# Altium PCB FSAES-22-E17 Temp Module PCB.PcbDoc (part 1 of 3) (continued)
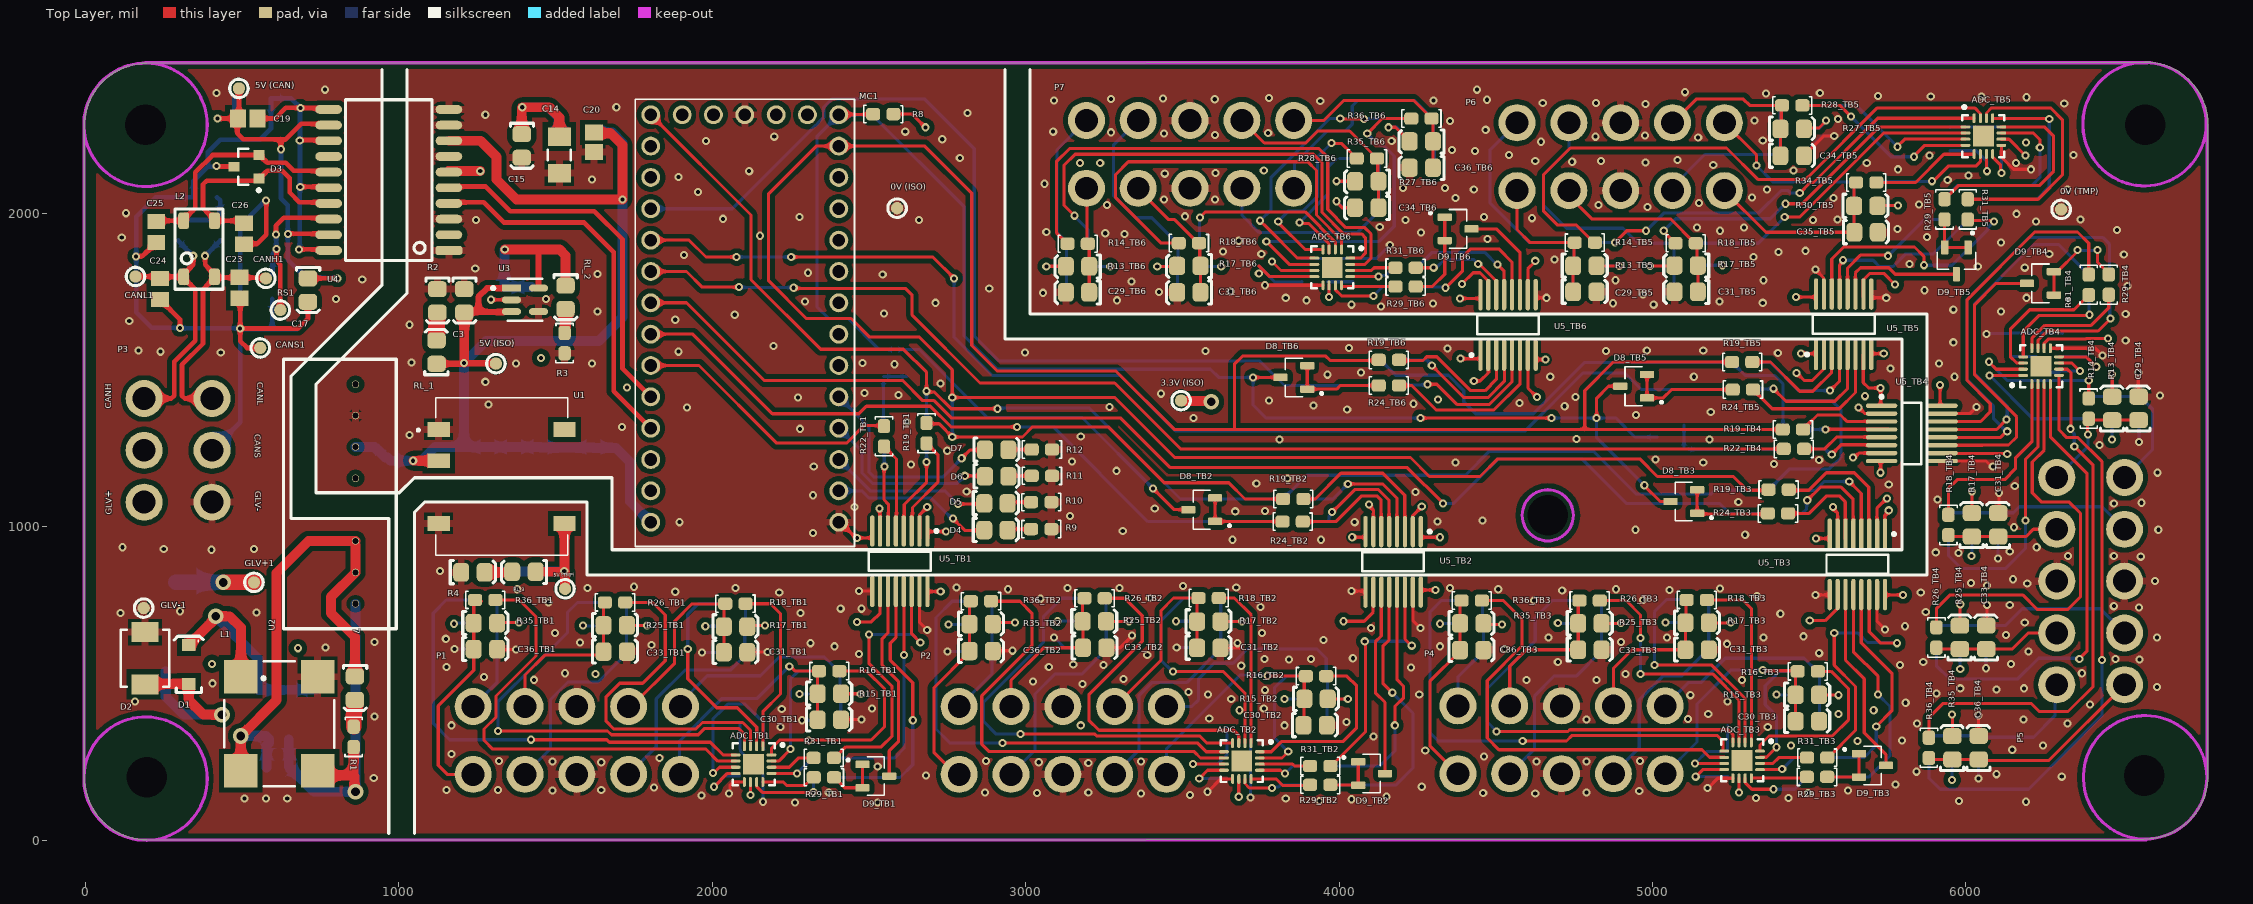
[diagram p0: Top Layer view]
## Components (designator, comment, footprint, x,y, rotation, side; value= is the part's Value field where it differs from the comment) (continued)
D8_TB5 "BAV70" BAV70-Footprint-1 4940,1448 r180 top (schematic designator D8)
D8_TB6 "BAV70" BAV70-Footprint-1 3856,1476 r180 top (schematic designator D8)
D9_TB1 "BAV70" BAV70-Footprint-1 2522,204 r0 top (schematic designator D9)
D9_TB2 "BAV70" BAV70-Footprint-1 4104,212 r0 top (schematic designator D9)
D9_TB3 "BAV70" BAV70-Footprint-1 5702,238 r0 top (schematic designator D9)
D9_TB4 "BAV70" BAV70-Footprint-1 6238,1776 r180 top (schematic designator D9)
D9_TB5 "BAV70" BAV70-Footprint-1 5970,1848 r270 top (schematic designator D9)
D9_TB6 "BAV70" BAV70-Footprint-1 4380,1950 r0 top (schematic designator D9)
F1 "0ZCF0100AF2A" 2920 256,826 r270 bottom
GLV+1 "GLV+" "SMD Test Point 1mm" 538,822 r180 top
GLV-1 "GLV-" "SMD Test Point 1mm" 186,740 r270 top
L1 "744272121" WE-SL5 618.56,371 r270 top
L2 "B82787C0104H002" "TDK 4-PC Pad" 313.57,1796.87 r90 top value="100µH @ 100kHz"
MC1 "DEV-15583" DEV-15583-Footprint-1 2104,1664 r180 top
P1 "39293106" 39293106 1898.71,209.46 r0 top
P2 "39293106" 39293106 3449.42,209.46 r0 top
P3 "6-Pin Molex Mini-Fit" "6-Pin Molex Mini-Fit" 310.27,1230.78 r270 top
P4 "39293106" 39293106 5040.71,211.46 r0 top
P5 "39293106" 39293106 6506.54,1156.71 r90 top
P6 "39293106" 39293106 4568,2288.54 r180 top
P7 "39293106" 39293106 3193.94,2296 r180 top
R1 "5.4K" RNCF0805BKY5K40-Footprint-1 856,329 r90 top
R2 "2K" 0805 1124,1720 r270 top value=2k
R3 "1.1K" RESC0603 1529,1585.48 r90 top
R4 "2K" 0805 1237.07,855.03 r0 top value=2k
R5 "CAN TERM" RESC0603 430,1946 r270 bottom value=56R
R6 "R0" FP-RC0805-IPC_A 596,1765.45 r90 bottom
R7 "CAN TERM" RESC0603 296,1946 r90 bottom value=56R
R8 "5K" Y16295K00000T9R-Footprint-1 2546,2316 r0 top
R9 "1.9K" Y16241K90000T9R-Footprint-1 3050,992 r180 top
R10 "1.9K" Y16241K90000T9R-Footprint-1 3050,1078 r180 top
R11 "1.9K" Y16241K90000T9R-Footprint-1 3052,1162 r180 top
R12 "1.9K" Y16241K90000T9R-Footprint-1 3052,1246 r180 top
R13_TB1 "680R" 0805 2372.36,466.8 r180 bottom (schematic designator R13)
R13_TB2 "680R" 0805 3925.17,451.03 r180 bottom (schematic designator R13)
R13_TB3 "680R" 0805 5495.07,464 r180 bottom (schematic designator R13)
R13_TB4 "680R" 0805 6466,1377.41 r90 top (schematic designator R13)
R13_TB5 "680R" 0805 4784.93,1833.03 r0 top (schematic designator R13)
R13_TB6 "680R" 0805 3165.11,1829.44 r180 top (schematic designator R13)
R14_TB1 "20R" RESC0603 2373.29,538.8 r0 bottom (schematic designator R14)
R14_TB2 "20R" RESC0603 3926.53,523.03 r0 bottom (schematic designator R14)
R14_TB3 "20R" RESC0603 5496,538 r0 bottom (schematic designator R14)
R14_TB4 "20R" RESC0603 6392,1376.48 r270 top (schematic designator R14)
R14_TB5 "20R" RESC0603 4784,1906 r180 top (schematic designator R14)
R14_TB6 "20R" RESC0603 3166.04,1902.47 r0 top (schematic designator R14)
R15_TB1 "680R" 0805 2374.27,467.83 r0 top (schematic designator R15)
R15_TB2 "680R" 0805 3927.07,451.03 r0 top (schematic designator R15)
R15_TB3 "680R" 0805 5494.59,464 r0 top (schematic designator R15)
R15_TB4 "680R" 0805 6466,1377.41 r270 bottom (schematic designator R15)
R15_TB5 "680R" 0805 4784.93,1832 r0 bottom (schematic designator R15)
R15_TB6 "680R" 0805 3168.02,1830.47 r0 bottom (schematic designator R15)
R16_TB1 "20R" RESC0603 2373.34,538.8 r180 top (schematic designator R16)
R16_TB2 "20R" RESC0603 3926.58,523.03 r180 top (schematic designator R16)
R16_TB3 "20R" RESC0603 5495.52,538 r180 top (schematic designator R16)
R16_TB4 "20R" RESC0603 6392,1376.48 r90 bottom (schematic designator R16)
R16_TB5 "20R" RESC0603 4784,1906 r180 bottom (schematic designator R16)
R16_TB6 "20R" RESC0603 3167.09,1904.47 r180 bottom (schematic designator R16)
R17_TB1 "680R" 0805 2074.93,682 r0 top (schematic designator R17)
R17_TB2 "680R" 0805 3584.93,698 r0 top (schematic designator R17)
R17_TB3 "680R" 0805 5142.93,694 r0 top (schematic designator R17)
R17_TB4 "680R" 0805 6018.23,1006.13 r90 top (schematic designator R17)
R17_TB5 "680R" 0805 5106.93,1832 r180 top (schematic designator R17)
R17_TB6 "680R" 0805 3520.16,1830.47 r180 top (schematic designator R17)
R18_TB1 "20R" RESC0603 2074,754 r180 top (schematic designator R18)
R18_TB2 "20R" RESC0603 3584,772 r180 top (schematic designator R18)
R18_TB3 "20R" RESC0603 5141.52,766 r180 top (schematic designator R18)
R18_TB4 "20R" RESC0603 5944.23,1005.2 r270 top (schematic designator R18)
R18_TB5 "20R" RESC0603 5106,1904 r0 top (schematic designator R18)
R18_TB6 "20R" RESC0603 3521.09,1904.47 r0 top (schematic designator R18)
R19_TB1 "20R" RESC0603 2684,1298 r270 top (schematic designator R19)
R19_TB2 "20R" RESC0603 3854,1088 r0 top (schematic designator R19)
R19_TB3 "20R" RESC0603 5402.48,1118 r0 top (schematic designator R19)
R19_TB4 "20R" RESC0603 5448.15,1309.94 r0 top (schematic designator R19)
R19_TB5 "20R" RESC0603 5286.19,1525.21 r0 top (schematic designator R19)
R19_TB6 "20R" RESC0603 4159.03,1531.86 r0 top (schematic designator R19)
R20_TB1 "20R" RESC0603 2684,1298 r270 bottom (schematic designator R20)
R20_TB2 "20R" RESC0603 3854,1088 r0 bottom (schematic designator R20)
R20_TB3 "20R" RESC0603 5402.48,1118 r0 bottom (schematic designator R20)
R20_TB4 "20R" RESC0603 5449.08,1309.9 r0 bottom (schematic designator R20)
R20_TB5 "20R" RESC0603 5285.52,1524 r0 bottom (schematic designator R20)
R20_TB6 "20R" RESC0603 4159.03,1531.86 r0 bottom (schematic designator R20)
R21_TB1 "680R" 0805 2073.02,682 r180 bottom (schematic designator R21)
R21_TB2 "680R" 0805 3584.93,698.97 r180 bottom (schematic designator R21)
R21_TB3 "680R" 0805 5141.87,694.97 r180 bottom (schematic designator R21)
R21_TB4 "680R" 0805 6018.23,1006.13 r270 bottom (schematic designator R21)
R21_TB5 "680R" 0805 5108,1832 r0 bottom (schematic designator R21)
R21_TB6 "680R" 0805 3522.02,1828.47 r0 bottom (schematic designator R21)
R22_TB1 "20R" RESC0603 2548,1288 r270 top (schematic designator R22)
R22_TB2 "20R" RESC0603 3852,1016 r0 bottom (schematic designator R22)
R22_TB3 "20R" RESC0603 5400.48,1042 r0 bottom (schematic designator R22)
R22_TB4 "20R" RESC0603 5451.19,1247.94 r0 top (schematic designator R22)
R22_TB5 "20R" RESC0603 5288.67,1437.21 r0 bottom (schematic designator R22)
R22_TB6 "20R" RESC0603 4159.03,1450.14 r0 bottom (schematic designator R22)
R23_TB1 "20R" RESC0603 2073.95,754 r0 bottom (schematic designator R23)
R23_TB2 "20R" RESC0603 3584,772 r0 bottom (schematic designator R23)
R23_TB3 "20R" RESC0603 5140.46,766.97 r0 bottom (schematic designator R23)
R23_TB4 "20R" RESC0603 5944.2,1005.2 r90 bottom (schematic designator R23)
R23_TB5 "20R" RESC0603 5106,1904 r180 bottom (schematic designator R23)
R23_TB6 "20R" RESC0603 3521.09,1902.47 r180 bottom (schematic designator R23)
R24_TB1 "20R" RESC0603 2548,1288 r270 bottom (schematic designator R24)
R24_TB2 "20R" RESC0603 3852,1016 r0 top (schematic designator R24)
R24_TB3 "20R" RESC0603 5400.48,1042 r0 top (schematic designator R24)
R24_TB4 "20R" RESC0603 5451.67,1247.94 r0 bottom (schematic designator R24)
R24_TB5 "20R" RESC0603 5288.67,1437.21 r0 top (schematic designator R24)
R24_TB6 "20R" RESC0603 4159.03,1450.14 r0 top (schematic designator R24)
R25_TB1 "680R" 0805 1690.98,686 r0 top (schematic designator R25)
R25_TB2 "680R" 0805 3219.87,698.46 r0 top (schematic designator R25)
R25_TB3 "680R" 0805 4800.98,692 r0 top (schematic designator R25)
R25_TB4 "680R" 0805 5980,646.93 r90 top (schematic designator R25)
R25_TB5 "680R" 0805 5445.07,2270 r0 bottom (schematic designator R25)
R25_TB6 "680R" 0805 4089.98,2100.47 r180 bottom (schematic designator R25)
R26_TB1 "20R" RESC0603 1690,758 r180 top (schematic designator R26)
R26_TB2 "20R" RESC0603 3219.99,771.43 r180 top (schematic designator R26)
R26_TB3 "20R" RESC0603 4799.52,764 r180 top (schematic designator R26)
R26_TB4 "20R" RESC0603 5906,646 r270 top (schematic designator R26)
R26_TB5 "20R" RESC0603 5446,2344 r180 bottom (schematic designator R26)
R26_TB6 "20R" RESC0603 4088.91,2174.47 r0 bottom (schematic designator R26)
R27_TB1 "680R" 0805 1689.02,684 r180 bottom (schematic designator R27)
R27_TB2 "680R" 0805 3219.02,699.43 r180 bottom (schematic designator R27)
R27_TB3 "680R" 0805 4799.5,692 r180 bottom (schematic designator R27)
R27_TB4 "680R" 0805 5980,646.93 r270 bottom (schematic designator R27)
R27_TB5 "680R" 0805 5446,2270 r0 top (schematic designator R27)
R27_TB6 "680R" 0805 4087.98,2100.47 r180 top (schematic designator R27)
R28_TB1 "20R" RESC0603 1690,758 r0 bottom (schematic designator R28)
R28_TB2 "20R" RESC0603 3219.99,771.43 r0 bottom (schematic designator R28)
R28_TB3 "20R" RESC0603 4799.52,764 r0 bottom (schematic designator R28)
R28_TB4 "20R" RESC0603 5906,646 r90 bottom (schematic designator R28)
R28_TB5 "20R" RESC0603 5446,2344 r180 top (schematic designator R28)
R28_TB6 "20R" RESC0603 4088.91,2174.47 r0 top (schematic designator R28)
R29_TB1 "20R" RESC0603 2356.48,200 r180 top (schematic designator R29)
R29_TB2 "20R" RESC0603 3940.05,176 r180 top (schematic designator R29)
R29_TB3 "20R" RESC0603 5525.18,201.3 r180 top (schematic designator R29)
R29_TB4 "20R" RESC0603 6456,1772 r270 top (schematic designator R29)
R29_TB5 "20R" RESC0603 5932,2012 r90 top (schematic designator R29)
R29_TB6 "20R" RESC0603 4212.33,1766 r180 top (schematic designator R29)
R30_TB1 "680R" 0805 1275.02,693.03 r180 bottom (schematic designator R30)
R30_TB2 "680R" 0805 2855.07,686 r180 bottom (schematic designator R30)
R30_TB3 "680R" 0805 4422.54,692 r180 bottom (schematic designator R30)
R30_TB4 "680R" 0805 5956,294.93 r270 bottom (schematic designator R30)
R30_TB5 "680R" 0805 5681.07,2024 r0 top (schematic designator R30)
R30_TB6 "680R" 0805 4266.13,2230 r180 bottom (schematic designator R30)
R31_TB1 "20R" RESC0603 2356,262 r0 top (schematic designator R31)
R31_TB2 "20R" RESC0603 3940,236 r0 top (schematic designator R31)
R31_TB3 "20R" RESC0603 5525.46,263.02 r0 top (schematic designator R31)
R31_TB4 "20R" RESC0603 6392,1771.52 r90 top (schematic designator R31)
R31_TB5 "20R" RESC0603 6006,2012 r270 top (schematic designator R31)
R31_TB6 "20R" RESC0603 4212.28,1826 r0 top (schematic designator R31)
R32_TB1 "20R" RESC0603 2356,262 r0 bottom (schematic designator R32)
R32_TB2 "20R" RESC0603 3940,236 r0 bottom (schematic designator R32)
R32_TB3 "20R" RESC0603 5525.46,263.02 r0 bottom (schematic designator R32)
R32_TB4 "20R" RESC0603 6392,1771.52 r90 bottom (schematic designator R32)
R32_TB5 "20R" RESC0603 6005.35,2011.02 r270 bottom (schematic designator R32)
R32_TB6 "20R" RESC0603 4212.28,1826 r0 bottom (schematic designator R32)
R33_TB1 "20R" RESC0603 2356.48,200 r0 bottom (schematic designator R33)
R33_TB2 "20R" RESC0603 3940.05,176 r0 bottom (schematic designator R33)
R33_TB3 "20R" RESC0603 5525.18,201.3 r0 bottom (schematic designator R33)
R33_TB4 "20R" RESC0603 6456,1772 r90 bottom (schematic designator R33)
R33_TB5 "20R" RESC0603 5932,2012 r270 bottom (schematic designator R33)
R33_TB6 "20R" RESC0603 4213.32,1766 r0 bottom (schematic designator R33)
R34_TB1 "20R" RESC0603 1276,766 r0 bottom (schematic designator R34)
R34_TB2 "20R" RESC0603 2858.48,762 r0 bottom (schematic designator R34)
R34_TB3 "20R" RESC0603 4423.52,764 r0 bottom (schematic designator R34)
R34_TB4 "20R" RESC0603 5882,294 r90 bottom (schematic designator R34)
R34_TB5 "20R" RESC0603 5682,2098 r180 top (schematic designator R34)
R34_TB6 "20R" RESC0603 4267.06,2304 r0 bottom (schematic designator R34)
R35_TB1 "680R" 0805 1276.98,693.03 r0 top (schematic designator R35)
R35_TB2 "680R" 0805 2858.45,690 r0 top (schematic designator R35)
R35_TB3 "680R" 0805 4424,692 r0 top (schematic designator R35)
R35_TB4 "680R" 0805 5956,294.93 r90 top (schematic designator R35)
R35_TB5 "680R" 0805 5681.07,2026 r0 bottom (schematic designator R35)
R35_TB6 "680R" 0805 4262.01,2228 r180 top (schematic designator R35)
R36_TB1 "20R" RESC0603 1276,766 r180 top (schematic designator R36)
R36_TB2 "20R" RESC0603 2857.52,762 r180 top (schematic designator R36)
R36_TB3 "20R" RESC0603 4423.52,764 r180 top (schematic designator R36)
R36_TB4 "20R" RESC0603 5882,294 r270 top (schematic designator R36)
R36_TB5 "20R" RESC0603 5682,2100 r180 bottom (schematic designator R36)
R36_TB6 "20R" RESC0603 4262.94,2302 r0 top (schematic designator R36)
RL_1 "SML-210LTT86" "0805 LED" 1119.32,1557.4 r90 top
RL_2 "SML-210LTT86" "0805 LED" 1533.03,1730.93 r270 top
RL_3 "SML-210LTT86" "0805 LED" 1398.93,854.97 r180 top
RS1 "RS" "SMD Test Point 1mm" 622,1691 r0 top
U1 "R2S-0505/HP" R2S-0505_HP-Footprint-1 1328,1160 r0 top
U2 "ITQ2405SA" ITQ2405SA-Footprint-1 862,754 r90 top
U3 "TLV70033DDCR" FP-DDC0005A-IPC_B 1402.68,1723.4 r0 top
U4 "ADM3053" "AD SOIC-W 20" 968,2106 r90 top
U5_TB1 "ADUM7441ARQZ-RL7" ADI-RQ-16_M 2598.6,889.54 r270 top (schematic designator U5)
U5_TB2 "ADUM7441ARQZ-RL7" ADI-RQ-16_M 4172.6,887.54 r270 top (schematic designator U5)
U5_TB3 "ADUM7441ARQZ-RL7" ADI-RQ-16_M 5653.81,879.54 r270 top (schematic designator U5)
U5_TB4 "ADUM7441ARQZ-RL7" ADI-RQ-16_M 5827.54,1297.4 r0 top (schematic designator U5)
U5_TB5 "ADUM7441ARQZ-RL7" ADI-RQ-16_M 5610.2,1645.54 r90 top (schematic designator U5)
U5_TB6 "ADUM7441ARQZ-RL7" ADI-RQ-16_M 4539.4,1643.54 r90 top (schematic designator U5)

## Footprints (in the part's own frame and the unit in brackets; to place one, negate y for a bottom-side part, rotate by r counter-clockwise, add the part's x,y. Pads: shape width x height; smd on the part's side, far side on the other; paste and mask are expansions set on the pad)
"6-Pin Molex Mini-Fit" [mm] "6-Pin Molex Mini-Fit Connector Header 6 pin mini fit"
  round 3 hole 1.85: 1(3.881,-3.119) 2(-0.319,-3.119) 3(-4.519,-3.119) 4(3.881,2.381) 5(-0.319,2.381) 6(-4.519,2.381)
  body extent -7.59,-5.42 7.01,5.58, height 12.8
0805 [mil]
  rrect50% 51.18x59.06 smd: 1(-37.87,-1.03) 2(36.93,-1.03)
  silkscreen extent -73,-37 71,37, body extent -39,-26 39,26, height 29
"0805 LED" [mil]
  rrect50% 51.18x59.06 smd: A(-37.87,-1.03) K(36.93,-1.03)
  silkscreen extent -73,-37 71,37, body extent -43,-25 35,25, height 39
2920 [mm]
  rrect50% 2.3x5.6 smd: 1(0,0) 2(7.3,0)
  silkscreen extent -1.4,-3 9,3, body extent -0.34,-2.81 7.64,2.81, height 1.14
39293106 [mm]
  round 3 hole 1.85: 1(0,0) 2(0,5.5) 3(-4.2,0) 4(-4.2,5.5) 5(-8.4,0) 6(-8.4,5.5) 7(-12.6,0) 8(-12.6,5.5) 9(-16.8,0) 10(-16.8,5.5)
  body extent -20,-2.05 3,8.95, height 2.99
"AD SOIC-W 20" [mil]
  rrect50% 28x85 smd: 1(-225,-192.02)
  oval 28x85 smd: 2(-175,-192.02) 3(-125,-192.02) 4(-75,-192.02) 5(-25,-192.02) 6(25,-192.02) 7(75,-192.02) 8(125,-192.02) 9(175,-192.02) 10(225,-192.02) 11(225,192.02) 12(175,191.98) 13(125,191.98) 14(75,191.98) 15(25,191.98) 16(-25,191.98) 17(-75,191.98) 18(-125,191.98) 19(-175,191.98) 20(-225,191.98)
  silkscreen extent -257,-138 256,138, body extent -260,-210 260,210, height 105
ADI-RQ-16_M [mm] "SOP, 16-Leads, Body 4.9x3.9mm, Pitch 0.64mm, IPC Low Density"
  oval 2.55x0.35 smd: 1(-2.45,2.24) 2(-2.45,1.6) 3(-2.45,0.96) 4(-2.45,0.32) 5(-2.45,-0.32) 6(-2.45,-0.96) 7(-2.45,-1.6) 8(-2.45,-2.24) 9(2.45,-2.24) 10(2.45,-1.6) 11(2.45,-0.96) 12(2.45,-0.32) 13(2.45,0.32) 14(2.45,0.96) 15(2.45,1.6) 16(2.45,2.24)
  silkscreen extent -2.57,-2.5 0.77,3.09, body extent -2,-2.5 2,2.5, height 1.75
BAV70-Footprint-1 [mm]
  rrect25% 1.15x0.6 smd: 1(-1.085,0.95) 2(-1.085,-0.95) 3(1.085,0)
  silkscreen extent -2.35,-1.57 0.7,1.57, body extent -1.2,-1.46 1.2,1.46, height 1.2
C0805C226M9PAC7210-Footprint-1 [mil]
  rrect50% 51.18x59.06 smd: 1(-37.87,-1.03) 2(36.93,-1.03)
  silkscreen extent -73,-37 71,37, body extent -39,-26 39,26, height 29
CAPC2013X70X45NL15T25 [mm] "Chip Capacitor, 2-Leads, Body 2.00x1.25mm, IPC Medium Density"
  rect 1.25x1.45 smd: 1(-0.85,0) 2(0.85,0)
  body extent -1.08,-0.7 1.07,0.7, height 0.7
CAPC2013X145X50NL20T25 [mm] "Chip Capacitor, 2-Leads, Body 2.00x1.25mm, IPC Medium Density"
  rect 1.3x1.45 smd: 1(-0.8,0) 2(0.8,0)
  body extent -1.1,-0.72 1.1,0.72, height 1.45
DEV-15583-Footprint-1 [mm]
  round 1.53 hole 1.02: 0(-7.62,13.97) 1(-7.62,11.43) 2(-7.62,8.89) 3(-7.62,6.35) 3.3V_1(-2.54,-16.51) 3.3V_2(7.62,11.43) 4(-7.62,3.81) 5(-7.62,1.27) 6(-7.62,-1.27) 7(-7.62,-3.81) 8(-7.62,-6.35) 9(-7.62,-8.89) 10(-7.62,-11.43) 11(-7.62,-13.97) 12(-7.62,-16.51) 13(7.62,-16.51) 14(7.62,-13.97) 15(7.62,-11.43) 16(7.62,-8.89) 17(7.62,-6.35) 18(7.62,-3.81) 19(7.62,-1.27) 20(7.62,1.27) 21(7.62,3.81) 22(7.62,6.35) 23(7.62,8.89) G1(-7.62,16.51) G2(0,-16.51) G3(7.62,13.97) ON-OFF(5.08,-16.51) PGM(2.54,-16.51) VBAT(-5.08,-16.51) VIN(7.62,16.51)
  silkscreen extent -8.89,-17.78 8.89,18.48, body extent -8.89,-17.78 8.89,18.48, height 4.38
FP-DDC0005A-IPC_B [mm]
  rect 1.554x0.572 smd paste+0 mask+0: 1(-1.1,0.95)
  rrect100% 1.554x0.572 smd paste+0 mask+0: 2(-1.1,0) 3(-1.1,-0.95) 4(1.1,-0.95) 5(1.1,0.95)
  silkscreen extent -2.7,-1.7 1.4,1.7, body extent -2.13,-1.7 2.13,1.7, height 0.25
FP-GCM319-0_15-IPC_A [mil]
  rect 59.28x73.16 smd paste+0 mask+0: 1(-58.12,0) 2(58.12,0)
  silkscreen extent -17,-37 17,37, body extent -107,-56 107,56, height 10
FP-RC0805-IPC_A [mil]
  rect 47.56x57.56 smd paste+0 mask+0: 1(-39.45,0) 2(39.45,0)
  silkscreen extent -63,-45 63,45, body extent -39,-25 39,25, height 24
FP-SMB-CA-MFG [mm]
  rect 1.62x2.18 smd paste+0 mask+0: 1(-2.11,0) 2(2.11,0)
  silkscreen extent -2.3,-1.97 2.3,1.97, body extent -3.02,-2.07 3.02,2.07, height 0.25
ITQ2405SA-Footprint-1 [mm]
  round 0.6 hole 0.5: 1(0,0) 2(2.54,0) 3(5.08,0) 5(10.16,0) 6(12.7,0) 7(15.24,0) 8(17.78,0)
  silkscreen extent -2.03,-3.3 19.81,5.84
ONSC-SOT-23-3-318-08_V [mm] "SOT23, 3-Leads, Body 2.92x1.3mm, Pitch 0.95mm"
  rect 0.9x0.8 smd: 1(-1,0.95) 2(-1,-0.95) 3(1,0)
  silkscreen extent -1.13,-1.46 0.65,2.02, body extent -0.65,-1.46 0.65,1.46, height 1.11
QFN50P300X300X80_HS-17N [mm] "QFN, 16-Leads, Body 3.00x3.00mm, Pitch 0.50mm, Thermal Pad 1.68x1.68mm, IPC Medium Density"
  oval 0.8x0.25 smd: 1(-1.45,0.75) 2(-1.45,0.25) 3(-1.45,-0.25) 4(-1.45,-0.75) 9(1.45,-0.75) 10(1.45,-0.25) 11(1.45,0.25) 12(1.45,0.75)
  oval 0.25x0.8 smd: 5(-0.75,-1.45) 6(-0.25,-1.45) 7(0.25,-1.45) 8(0.75,-1.45) 13(0.75,1.45) 14(0.25,1.45) 15(-0.25,1.45) 16(-0.75,1.45)
  rect 1.68x1.68 smd: 17(0,0)
  silkscreen extent -1.7,-1.7 1.7,2.48, body extent -1.55,-1.55 1.55,1.55, height 0.8
R2S-0505_HP-Footprint-1 [mm]
  rect 1.8x1.2 smd: 1(-5.1,3.81) 2(-5.1,1.27) 4(-5.1,-3.81) 5(5.1,-3.81) 8(5.1,3.81)
  silkscreen extent -6.85,-6.38 5.35,6.38, body extent -5.55,-6.38 5.55,6.38, height 8.7
RESC0603 [mm] "Chip Resistor, 2-Leads, Body 1.60x0.80mm, IPC Low Density"
  rrect50% 1.15x1 smd: 1(-0.825,0) 2(0.825,0)
  silkscreen extent -1.59,-0.7 1.59,0.7, body extent -0.85,-0.45 0.85,0.45, height 0.6
RNCF0805BKY5K40-Footprint-1 [mm]
  rrect50% 1.15x1 smd: 1(-0.825,0) 2(0.825,0)
  silkscreen extent -1.59,-0.7 1.59,0.7, body extent -0.85,-0.45 0.85,0.45, height 0.6
"SMD Test Point 1mm" [mm]
  round 1 smd: 1(0,0)
  silkscreen extent -0.75,-0.75 0.75,0.75
SODFL350X110-2N [mm] "SODFL, 2-Leads, Body 1.70x3.50mm, IPC Medium Density"
  rect 0.95x1.1 smd: A(1.575,0) K(-1.575,0)
  silkscreen extent -2.29,-1.19 2.28,1.18, body extent -1.75,-0.95 1.75,0.95, height 1.1
"TDK 4-PC Pad" [mm]
  rrect50% 1.35x0.9 smd: 1(0,0) 2(0,-2.5) 3(4.55,-2.5) 4(4.55,0)
  silkscreen extent -1,-3.2 5.5,0.7, body extent -0.02,-2.82 4.48,0.38, height 2.8
WE-SL5 [mm] "SMD Inductor, Body 9.0 x 10.3 mm"
  rect 2.7x2.7 smd: 1(-3.81,-3.11) 2(3.81,-3.11) 3(3.81,3.11) 4(-3.81,3.11)
  silkscreen extent -5.08,-4.44 5.08,4.44, body extent -5,-4.35 5,4.35, height 6.5
Y16241K90000T9R-Footprint-1 [mm]
  rrect50% 1.15x1 smd: 1(-0.825,0) 2(0.825,0)
  silkscreen extent -1.59,-0.7 1.59,0.7, body extent -0.85,-0.45 0.85,0.45, height 0.6
Y16295K00000T9R-Footprint-1 [mm]
  rrect50% 1.15x1 smd: 1(-0.825,0) 2(0.825,0)
  silkscreen extent -1.59,-0.7 1.59,0.7, body extent -0.85,-0.45 0.85,0.45, height 0.6

## Part data
"0V (ISO)" "0V (TMP)" "3.3V (ISO)" "5V (CAN)" "5V (ISO)" "5V (TMP)" CANH1 CANL1 CANS1 GLV+1 GLV-1 RS1: library part "SMD Test Point Small", Angle=0, Contact=NA, Flange=No, Part Number="SMD Test Point Small", Pitch=0mm, Positions=1, Row Spacing=0
7 RL_1 RL_2 RL_3: library part CMP-025-000006-1, "Red LED Indication - Discrete 1.75V 0805 (2012 Metric)", Part Number=SML-210LTT86
ADC_TB1 ADC_TB2 ADC_TB3 ADC_TB4 ADC_TB5 ADC_TB6: library part CMP-001-0002-13, "Small 8-channel 12-bit analog-to-digital converter (ADC) with SPI, GPIOs and CRC 16-WQFN -40 to 85"
C1 C2 C4 C6 C7 C8 C15 C17 C18 C21: library part CMP-00018-1, "Cap Ceramic 0.1uF 25V X7R 10% Pad SMD 0805 125C Automotive T/R", Case Code (Imperial)=0805, Case Code (Metric)=2012, Dielectric=X7R, Max Operating Temperature=125°C, Min Operating Temperature=-55°C, Package Quantity=3000, Ratings=AEC-Q200, Tolerance=10%, Voltage Rating=25V, Capacitance=100nF, Case/Package=0805, Construction=Flat, Depth=1.25mm, Height=1.25mm, Length=2mm, Mount="Surface Mount", Packaging="Tape and Reel", Radiation Hardening=No, RoHS Compliant=Yes, Series=GCM, Termination=SMD/SMT, Thickness=0.055inch, Voltage Rating (DC)=25V, Width=1.25mm
C3: library part GRM21BR6YA106KE43L, Digikey Part Number=490-10514-6-ND, Manufacturer=muRata, Rated Voltage=50V, Tolerance=10%, Material=X5R, Part Number=GRM21BR6YA106KE43L
C5 C37_TB1 C37_TB2 C37_TB3 C37_TB4 C37_TB5 C37_TB6 C38_TB1 C38_TB2 C38_TB3 C38_TB4 C38_TB5 C38_TB6 C39_TB1 C39_TB2 C39_TB3 C39_TB4 C39_TB5 C39_TB6: library part AC0805KKX7R8BB105, Digikey Part Number="DO NOT USE FOR NEW DESIGNS", Manufacturer=YAGEO, Rated Voltage=25V, Tolerance=10%, Material=X7R, Part Number=AC0805KKX7R8BB105
C9 C10 C22: library part CMP-CAP-0012-1, "Cap Ceramic 22uF 6.3V X5R 20% Pad SMD 0805 85C T/R", Case/Package=0805, Dielectric=X5R, Max Operating Temperature=85°C, Min Operating Temperature=-55°C, Tolerance=20%, Capacitance=22uF, ComponentLink1Description="Digikey Link", ComponentLink1URL=https://www.digikey.com.au/en/products/detail/kemet/C0805C226M9PAC7210/12701503?utm_adgroup=Ceramic%20Capacitors&utm_source=google&utm_medium=cpc&utm_campaign=Shopping_Product_Capacitors&utm_term=&productid=12701503&utm_id=go_cmp-1056236628_adg-53401090298_ad-250137101738_pla-354083418645_dev-c_ext-_prd-12701503_sig-CjwKCAjwnZaVBhA6EiwAVVyv9KTEcqdxbqdQeMdm15seaf-EwUH-KMZCmj15MsoZE7WO92Q0RAY2FRoCkrcQAvD_BwE&gclid=CjwKCAjwnZaVBhA6EiwAVVyv9KTEcqdxbqdQeMdm15seaf-EwUH-KMZCmj15MsoZE7WO92Q0RAY2FRoCkrcQAvD_BwE, Depth=1.25mm, Length=2mm, Packaging="Tape and Reel", RoHS Compliant=Yes
C11 C12 C13 C19 C20: library part CMP-CAP-0009-1, "CAP CER 10UF 10V Y5V 0805", Case Code (Imperial)=0805, Case Code (Metric)=2012, Dielectric=Y5V, Dielectric Material=Ceramic, Max Operating Temperature=85°C, Min Operating Temperature=-30°C, Package Quantity=1, Tolerance=80%, Voltage Rating=10V, Capacitance=10uF, Case/Package=0805, Construction=Flat, Depth=1.25mm, Dissipation Factor=20%, Halogen Free="Halogen Free", Height=0.85mm, Lead Free="Lead Free", Length=2mm, Mount="Surface Mount", Number of Pins=2, Packaging="Tape and Reel", Radiation Hardening=No, REACH SVHC="No SVHC", Resistor Type=Ceramic, RoHS Compliant=Yes, Series=CC, Termination=SMD/SMT, Thickness=0.049inch, Voltage Rating (DC)=10V, Width=0.049inch
C14 C16: library part CMP-CAP-0013-1, "CAP CER 10000PF 100V NP0 1206", Case Code (Imperial)=1206, Case Code (Metric)=3216, Dielectric=C0G, Max Operating Temperature=125°C, Min Operating Temperature=-55°C, Package Quantity=1, Ratings=AEC-Q200, Tolerance=5%, Voltage Rating=100V, Capacitance=10nF, Case/Package=1206, Construction=Flat, Depth=1.6mm, Height=0.85mm, Lead Free="Lead Free", Length=3.2mm, Mount="Surface Mount", Packaging="Tape and Reel", Radiation Hardening=No, RoHS Compliant=Yes, Series=GCM, Termination=SMD/SMT, Thickness=0.037inch, Voltage Rating (DC)=100V, Width=0.063inch
C23 C24 C25 C26: library part CMP-CAP-0014-1, "Cap Ceramic 100pF 50V C0G 5% Pad SMD 0805 125C Automotive T/R", Case Code (Imperial)=0805, Case Code (Metric)=2012, Dielectric=C0G, Max Operating Temperature=125°C, Min Operating Temperature=-55°C, Package Quantity=1, Ratings=AEC-Q200, Tolerance=5%, Voltage Rating=50V, Capacitance=100pF, Case/Package=0805, Construction=Flat, Depth=1.25mm, Height=0.6mm, Length=2mm, Mount="Surface Mount", Packaging="Tape and Reel", Radiation Hardening=No, RoHS Compliant=Yes, Series=GCM, Termination=SMD/SMT, Thickness=0.028inch, Voltage Rating (DC)=50V, Width=0.049inch
C27 C28: library part CMP-CAP-0013-1, "CAP CER 10000PF 100V NP0 1206", Capacitance=10nF, Case Code (Imperial)=1206, Case Code (Metric)=3216, Dielectric=C0G, Max Operating Temperature=125°C, Min Operating Temperature=-55°C, Package Quantity=1, Ratings=AEC-Q200, Tolerance=5%, Voltage Rating=100V, Case/Package=1206, Construction=Flat, Depth=1.6mm, Height=0.85mm, Lead Free="Lead Free", Length=3.2mm, Mount="Surface Mount", Packaging="Tape and Reel", Radiation Hardening=No, RoHS Compliant=Yes, Series=GCM, Termination=SMD/SMT, Thickness=0.037inch, Voltage Rating (DC)=100V, Width=0.063inch
C29_TB1 C29_TB2 C29_TB3 C29_TB4 C29_TB5 C29_TB6 C30_TB1 C30_TB2 C30_TB3 C30_TB4 C30_TB5 C30_TB6 C31_TB1 C31_TB2 C31_TB3 C31_TB4 C31_TB5 C31_TB6 C32_TB1 C32_TB2 C32_TB3 C32_TB4 C32_TB5 C32_TB6 C33_TB1 C33_TB2 C33_TB3 C33_TB4 C33_TB5 C33_TB6 C34_TB1 C34_TB2 C34_TB3 C34_TB4 C34_TB5 C34_TB6 C35_TB1 C35_TB2 C35_TB3 C35_TB4 C35_TB5 C35_TB6 C36_TB1 C36_TB2 C36_TB3 C36_TB4 C36_TB5 C36_TB6: library part CMP-00018-1, "Cap Ceramic 0.1uF 25V X7R 10% Pad SMD 0805 125C Automotive T/R", Capacitance=100nF, Case Code (Imperial)=0805, Case Code (Metric)=2012, Dielectric=X7R, Max Operating Temperature=125°C, Min Operating Temperature=-55°C, Package Quantity=3000, Ratings=AEC-Q200, Tolerance=10%, Voltage Rating=25V, Case/Package=0805, Construction=Flat, Depth=1.25mm, Height=1.25mm, Length=2mm, Mount="Surface Mount", Packaging="Tape and Reel", Radiation Hardening=No, RoHS Compliant=Yes, Series=GCM, Termination=SMD/SMT, Thickness=0.055inch, Voltage Rating (DC)=25V, Width=1.25mm
D1: library part CMP-004-00005-4, "Diode 100 V 1A Surface Mount SOD-123W"
D2: library part CMP-004-00004-1, "ESD Suppressors / TVS Diodes 600 W 4kW Transil 6V to 70V Bi", Breakdown Voltage=36V, Case/Package=DO-214AA, Clamping Voltage=49.9V, Leakage Current=200nA, Max Breakdown Voltage=37.8V, Max Operating Temperature=150°C, Max Power Dissipation=600W, Max Surge Current=12A, Min Breakdown Voltage=34.2V, Min Operating Temperature=-55°C, Operating Supply Voltage=30V, Package Quantity=1, Peak Pulse Current=62A, Power Line Protection=No, Reverse Standoff Voltage=30.8V, Test Current=1mA, Diode Type=ZENER, Direction=Bidirectional, Height=2.45mm, Lead Free="Contains Lead", Length=4.6mm, Max Reverse Leakage Current=200nA, Mounting Technology="Surface Mount", Number of Bidirectional Channels=1, Number of Channels=1, Number of Elements=1, Packaging="Tape and Reel", Peak Pulse Power=600W, Pins=2, Polarity=Bidirectional, Reach SVHC Compliant=No, Reverse Breakdown Voltage=34.2V, RoHS Compliant=Yes, Series="Automotive, AEC-Q101, SM6TY, TRANSIL™", Termination=SMD/SMT, Width=3.95mm
D3: library part CMP-004-00000-1, "NUP2105L Series 350 W Dual Line CAN Bus Protector ESD Protection Diode - SOT-23", Breakdown Voltage=26.2V, Capacitance=30pF, Case/Package=SOT-23-3, Clamping Voltage=44V, Leakage Current=100nA, Max Breakdown Voltage=32V, Max Operating Temperature=150°C, Max Power Dissipation=350W, Max Surge Current=8A, Min Operating Temperature=-55°C, Operating Supply Voltage=24V, Package Quantity=1, Power Line Protection=No, Resistor Type=Zener, Test Current=1mA, Clamping Voltage-Max=44V, Contact Plating=Tin,Matte, Depth=1.3mm, Diode Type=ZENER, Direction=Bidirectional, Element Configuration=Dual, ESD Protection=Yes, Halogen Free="Halogen Free", Height=0.94mm, Lead Free="Lead Free", Length=2.9mm, Max Reverse Leakage Current=100nA, Min Breakdown Voltage=26.2V, Number of Bidirectional Channels=2, Number of Channels=2, Number of Lines=2, Number of Pins=3, Packaging="Tape and Reel", Peak Pulse Current=8A, Peak Pulse Power=350W, Polarity=Bidirectional, Radiation Hardening=No, REACH SVHC="No SVHC", Reverse Standoff Voltage=24V, RoHS Compliant=Yes, Series="Automotive, AEC-Q101", Termination=SMD/SMT, Width=1.3mm, Working Voltage=24V
D4: library part CMP-025-000006-1, "Red LED Indication - Discrete 1.75V 0805 (2012 Metric)", Part Number=SML-210LTT86
D5: library part CMP-025-000003-1, "Green LED Indication - Discrete 1.75V 0805 (2012 Metric)", Part Number=SML-210FTT86
D6: library part CMP-025-000005-1, "Yellow LED Indication - Discrete 1.75V 0805 (2012 Metric)", Part Number=SML-211YTT86
D7: library part CMP-025-000007-1, "LED BLUE CLEAR 2012 SMD", Part Number=SML-MN2BCTT86C
D8_TB1 D8_TB2 D8_TB3 D8_TB4 D8_TB5 D8_TB6 D9_TB1 D9_TB2 D9_TB3 D9_TB4 D9_TB5 D9_TB6: library part CMP-004-00001-1, "DIODE ARRAY GP 70V 200mA SOT23-3", RoHS Compliant=No
F1: library part CMP-018-000004-1, "PTC RESET FUSE 60V 1A 292", Part Number=0ZCF0100AF2A
L1: library part CMP-00010-1, "CMC 120UH 2.5A 2LN 460 OHM SMD", Case/Package=SMD/SMT, Current=2.5A, DC Resistance (DCR)=25mR, Inductance=120uH, Inductance Tolerance=40%, Max Current Rating=3A, Max Operating Temperature=125°C, Min Operating Temperature=-40°C, Package Quantity=1, Self Resonant Frequency=100kHz, Voltage Rating=80V, Core Material=Ferrite, Current Rating=2.5A, Depth=8.7mm, Height=6.5mm, Impedance=460R, Lead Free="Lead Free", Length=0.394inch, Max DC Current=2.5A, Mount="Surface Mount", Number of Lines=2, Number of Pins=4, Packaging="Tape and Reel", REACH SVHC="No SVHC", Resistance=25mR, RoHS Compliant=Yes, Series=WE-SL5, Termination=SMD/SMT, Test Frequency=100kHz, Tolerance=40%, Voltage Rating (DC)=80V, Weight=0.026103oz, Width=0.343inch
L2: "100µH @ 100kHz 2 Line Common Mode Choke Surface Mount 5.8 kOhms @ 10MHz 150mA DCR 2Ohm", Digikey Part Number=495-4598-1-ND, Manufacturer="EPCOS (TDK)", Rated Current=150mA, Digikey Link=https://www.digikey.com/product-detail/en/epcos-tdk/B82787C0104H002/495-4598-2-ND/3680998, Impedence="5.8 kOhms @ 10MHz", Material=Wirewound, Part Number=B82787C0104H002
MC1: library part CMP-029-000001-2, "Teensy 4.0 Microcontroller Board"
P1 P2 P4 P5 P6 P7: Digikey Part Number=WM3847-ND, Angle=0, Contact=Tin, Flange=No, Part Number=39293106, Pitch=4.2mm, Positions=10, Row Spacing=5.5mm
P3: library part CMP-CONN-0004-1, "6-Pin Molex Mini-Fit Connector Header 6 pin mini fit"
R1: library part CMP-RES-0158-2, "RES SMD 5.4K OHM 0.125W 0805", Case/Package=0805, Max Operating Temperature=155°C, Max Power Dissipation=125mW, Min Operating Temperature=-55°C, Power Rating=100mW, Resistance=5.4kR, Temperature Coefficient=5ppm/°C, Tolerance=0.1%, Features="Automotive AEC-Q200", Mount="Surface Mount", Number of Terminations=2, Packaging="Tape and Reel", RoHS Compliant=Yes, Series=RNCF
R2 R4: library part CMP-037-000309-3, "RC0805FR072KL", Digikey Part Number=311-2.00KCRCT-ND, Rated Voltage=0.125W, Tolerance=0.01, Material=FR-07
R3: library part CMP-RES-0079-1, "RES SMD 1.1K OHM JUMPER 1/10W 0603", Case/Package=0603, Max Operating Temperature=155°C, Min Operating Temperature=-55°C, Power Rating=100mW, Tolerance=1%, Voltage Rating=50V
R5 R7: library part CMP-RES-0049-1, "RES SMD 56 OHM JUMPER 1/10W 0603", Case/Package=0603, Max Operating Temperature=155°C, Min Operating Temperature=-55°C, Power Rating=100mW, Tolerance=1%, Voltage Rating=50V
R6: library part CMP-00003-1, "Res Thick Film 0805 0 Ohm Epoxy Pad SMD T/R", Case Code (Imperial)=0805, Case Code (Metric)=2012, Max Operating Temperature=155°C, Max Power Dissipation=125mW, Min Operating Temperature=-55°C, Resistance=0mR, Resistor Type="Thick Film", Tolerance=1%, Case/Package=0805, Construction=Rectangular, Contact Plating=Tin,Matte, Depth=1.25mm, Features="Moisture Resistant", Lead Free="Lead Free", Length=2mm, Military Standard=Not, Number of Terminations=2, Packaging="Tape and Reel", Power Rating=125mW, Radiation Hardening=No, RoHS Compliant=Yes, Series=RC, Size Code=0805
R8: library part CMP-RES-0160-1, "RED SMD 5K OHM 1/10W 0805"
R9 R10 R11 R12: library part CMP-RES-0159-1, "RES SMD 1.9K OHM 1/5W 0805", Case Code (Imperial)=0805, Case Code (Metric)=2012, Max Operating Temperature=150°C, Max Power Dissipation=200mW, Min Operating Temperature=-55°C, Package Quantity=1000, Resistance=1.9kR, Resistor Type="Metal Foil", Temperature Coefficient=0.2ppm/°C, Tolerance=0.01%, Case/Package=0805, Features="Moisture Resistant", Height=0.025inch, Length=0.08inch, Number of Terminations=2, Packaging="Tape and Reel", RoHS Compliant=Yes, Series=VSMP, Width=0.05inch
R13_TB1 R13_TB2 R13_TB3 R13_TB4 R13_TB5 R13_TB6 R15_TB1 R15_TB2 R15_TB3 R15_TB4 R15_TB5 R15_TB6 R17_TB1 R17_TB2 R17_TB3 R17_TB4 R17_TB5 R17_TB6 R21_TB1 R21_TB2 R21_TB3 R21_TB4 R21_TB5 R21_TB6 R25_TB1 R25_TB2 R25_TB3 R25_TB4 R25_TB5 R25_TB6 R27_TB1 R27_TB2 R27_TB3 R27_TB4 R27_TB5 R27_TB6 R30_TB1 R30_TB2 R30_TB3 R30_TB4 R30_TB5 R30_TB6 R35_TB1 R35_TB2 R35_TB3 R35_TB4 R35_TB5 R35_TB6: library part CMP-037-000298-3, "RC0805FR07680RL", Digikey Part Number=311-680CRCT-ND, Rated Voltage=0.125W, Tolerance=0.01, Material=FR-07
R14_TB1 R14_TB2 R14_TB3 R14_TB4 R14_TB5 R14_TB6 R16_TB1 R16_TB2 R16_TB3 R16_TB4 R16_TB5 R16_TB6 R18_TB1 R18_TB2 R18_TB3 R18_TB4 R18_TB5 R18_TB6 R19_TB1 R19_TB2 R19_TB3 R19_TB4 R19_TB5 R19_TB6 R20_TB1 R20_TB2 R20_TB3 R20_TB4 R20_TB5 R20_TB6 R22_TB1 R22_TB2 R22_TB3 R22_TB4 R22_TB5 R22_TB6 R23_TB1 R23_TB2 R23_TB3 R23_TB4 R23_TB5 R23_TB6 R24_TB1 R24_TB2 R24_TB3 R24_TB4 R24_TB5 R24_TB6 R26_TB1 R26_TB2 R26_TB3 R26_TB4 R26_TB5 R26_TB6 R28_TB1 R28_TB2 R28_TB3 R28_TB4 R28_TB5 R28_TB6 R29_TB1 R29_TB2 R29_TB3 R29_TB4 R29_TB5 R29_TB6 R31_TB1 R31_TB2 R31_TB3 R31_TB4 R31_TB5 R31_TB6 R32_TB1 R32_TB2 R32_TB3 R32_TB4 R32_TB5 R32_TB6 R33_TB1 R33_TB2 R33_TB3 R33_TB4 R33_TB5 R33_TB6 R34_TB1 R34_TB2 R34_TB3 R34_TB4 R34_TB5 R34_TB6 R36_TB1 R36_TB2 R36_TB3 R36_TB4 R36_TB5 R36_TB6: library part CMP-RES-0043-1, "RES SMD 20 OHM JUMPER 1/10W 0603", Case/Package=0603, Max Operating Temperature=155°C, Min Operating Temperature=-55°C, Power Rating=100mW, Tolerance=1%, Voltage Rating=50V
U1: library part CMP-00025-2, "DC-DC Unregulated Power Supply Module, 1 Output, 2W, Hybrid", Max Input Voltage=5.5V, Max Operating Temperature=100°C, Max Output Current=400mA, Max Output Power=2W, Max Output Voltage=5.25V, Min Input Voltage=4.5V, Min Operating Temperature=-40°C, Min Output Voltage=4.75V, Nominal Input Voltage=5V, Package Code=SOP, Package Shape=Rectangular, Package Style="MICROELECTRONIC ASSEMBLYMeter", Temperature Grade=INDUSTRIAL, Analog IC - Other Type="DC-DC UNREGULATED POWER SUPPLY MODULE", Height - Seated (Max)=9.5mm, Length=12.75mm, Load Regulation-Max=15%, Nominal Output Voltage=5V, Number of Functions=1, Number of Outputs=1, Number of Pins=5, Qualification Status="Not Qualified", Reach SVHC Compliant=Yes, RoHS Compliant=Yes, Surface Mount=Yes, Technology=HYBRID, Terminal Form=Flat, Terminal Pitch=2.54mm, Terminal Position=DUAL, Trim/Adjustable Output=No, Width=10.7mm
U2: library part CMP-001-0010-2, "Dc-dc Converter, 6W Single O/p, 4: 1 Input Sip", Case/Package=SIP, Current - Output 1=1.2A, Isolation Voltage=1.5kV, Max Input Voltage (DC)=36V, Max Operating Temperature=100°C, Max Output Power=6W, Min Input Voltage=9V, Min Operating Temperature=-40°C, Voltage - Output 1=5V, Depth=21.85mm, Efficiency=84%, Features=SCP, Height=0.44inch, Length=0.86inch, Max Output Current=1.2A, Max Power Dissipation=6W, Max Supply Voltage=36V, Min Input Voltage (DC)=9V, Mounting Technology="Through Hole,PCB", Number of Outputs=1, Output Power=6W, Packaging=Rail/Tube, Reach SVHC Compliant=Unknown, RoHS Compliant=Yes, Series=ITQ, Width=0.36inch
U3: library part CMP-001-0011-2, "Fixed Positive LDO Regulator, 3.3V, 0.25V Dropout, PMOS, PDSO5", Case/Package=TSSOP, Dropout Voltage1-Max=250mV, Dropout Voltage1-Nom=175mV, Input Voltage Absolute-Max=6V, Max Supply Voltage=5.5V, Min Input Voltage=2V, Operating Temperature, TJ-Max=125°C, Operating Temperature, TJ-Min=-40°C, Output Current1-Max=200mA, Output Voltage1-Max=3.366V, Output Voltage1-Min=3.234V, Output Voltage1-Nom=3.3V, Package Body Material=Plastic, Package Equivalence Code=TSOP5/6,.11,37, Package Shape=Rectangular, Package Style="SMALL OUTLINE, THIN PROFILE, SHRINK PITCHMeter", Peak Reflow Temperature (Cel)=260°C, Voltage Tolerance-Max=2%, Adjustability=FIXED, Channels=1, Height - Seated (Max)=1.1mm, JESD-30 Code=R-PDSO-G5, JESD-609 Code=e4, Length=2.9mm, Line Regulation-Max=0.005%, Load Regulation-Max=0.015%, Moisture Sensitivity Level=2, Number of Outputs=1, Packaging="Tape and Reel", Pins=5, Qualification Status="Not Qualified", Reach SVHC Compliant=Yes, Regulator Type="FIXED POSITIVE SINGLE OUTPUT LDO REGULATOR", RoHS Compliant=Yes, Surface Mount=Yes, Technology=PMOS, Terminal Finish=Nickel, Terminal Form="Gull Wing", Terminal Pitch=0.95mm, Terminal Position=DUAL, Width=1.6mm
U4: "Isolated CAN Transceiver", Digikey Part Number=ADM3053BRWZ-ND, Manufacturer="Analogue Devices", Digikey Link=https://www.digikey.com/product-detail/en/analog-devices-inc/ADM3053BRWZ/ADM3053BRWZ-ND/2709332, Part Number=ADM3053
U5_TB1 U5_TB2 U5_TB3 U5_TB4 U5_TB5 U5_TB6: library part CMP-001-0005-5, "Digital Isolator CMOS 4-CH 1Mbps 16-Pin QSOP T/R", Case/Package=QSOP, Isolated Power=No, Max Operating Temperature=105°C, Max Supply Voltage=5.5V, Min Operating Temperature=-40°C, Min Supply Voltage=3V, Nominal Supply Current=4.1mA, Package Quantity=1000, Channel Type=Unidirectional, Contact Plating=Tin,Matte, Data Rate=25Mbps, Lead Free="Contains Lead", Number of Channels=4, Number of Pins=16, Packaging="Tape and Reel", Propagation Delay=75ns, Pulse Width Distortion (PWD)=25ns, RoHS Compliant=Yes, Series=iCoupler®, Supply Current=4.1mA, Turn-On Delay Time=56ns, Type="General Purpose"

## Free pads (board coordinates)
  round 60 hole 129.92: 0(195.98,200)
  round 118.11 hole 129.92: 6(192.01,2282.01) 6(4666,1036) 6(6569.29,205.59) 6(6572.68,2282.44)

## Via types
v1: diameter 25.98, hole 12.99, Top Layer to Bottom Layer, tented both sides, 606 vias
v2: diameter 25.98, hole 12.99, Top Layer to Bottom Layer, 151 vias
v3: diameter 50, hole 28, Top Layer to Bottom Layer, tented both sides, 6 vias

## Nets (pads, with @x,y where several pads share a name; then routed paths per layer and width w, separated by ;. In a path a pad name is that pad's centre, name@x,y a point inside that pad or via, vN(x,y) a via of type N, cw(c..) or ccw(c..) an arc to the next point about the centre after c; other vN are vias at no path point)
0V: C7.2 C13.1 L1.3 R1.1 U2.1 | length 1195.4
  Top Layer w31.5: L1.3@741,221 756.14,205.86 856.2,205.86 ; R1.1@856.2,296.32 856.2,205.86 ; v3(862,154) 858.46,157.54 858.46,203.6 856.2,205.86
  Bottom Layer w31.5: C7.2@648.99,234.97 C13.1@648.99,321 ; C7.2@653.01,230.95 653.01,227.01 662.77,217.25 666.71,217.25 729.96,154 v3(862,154) U2.1@862,754